# KiCad board AMLDC-2044B.kicad_pcb (continued)
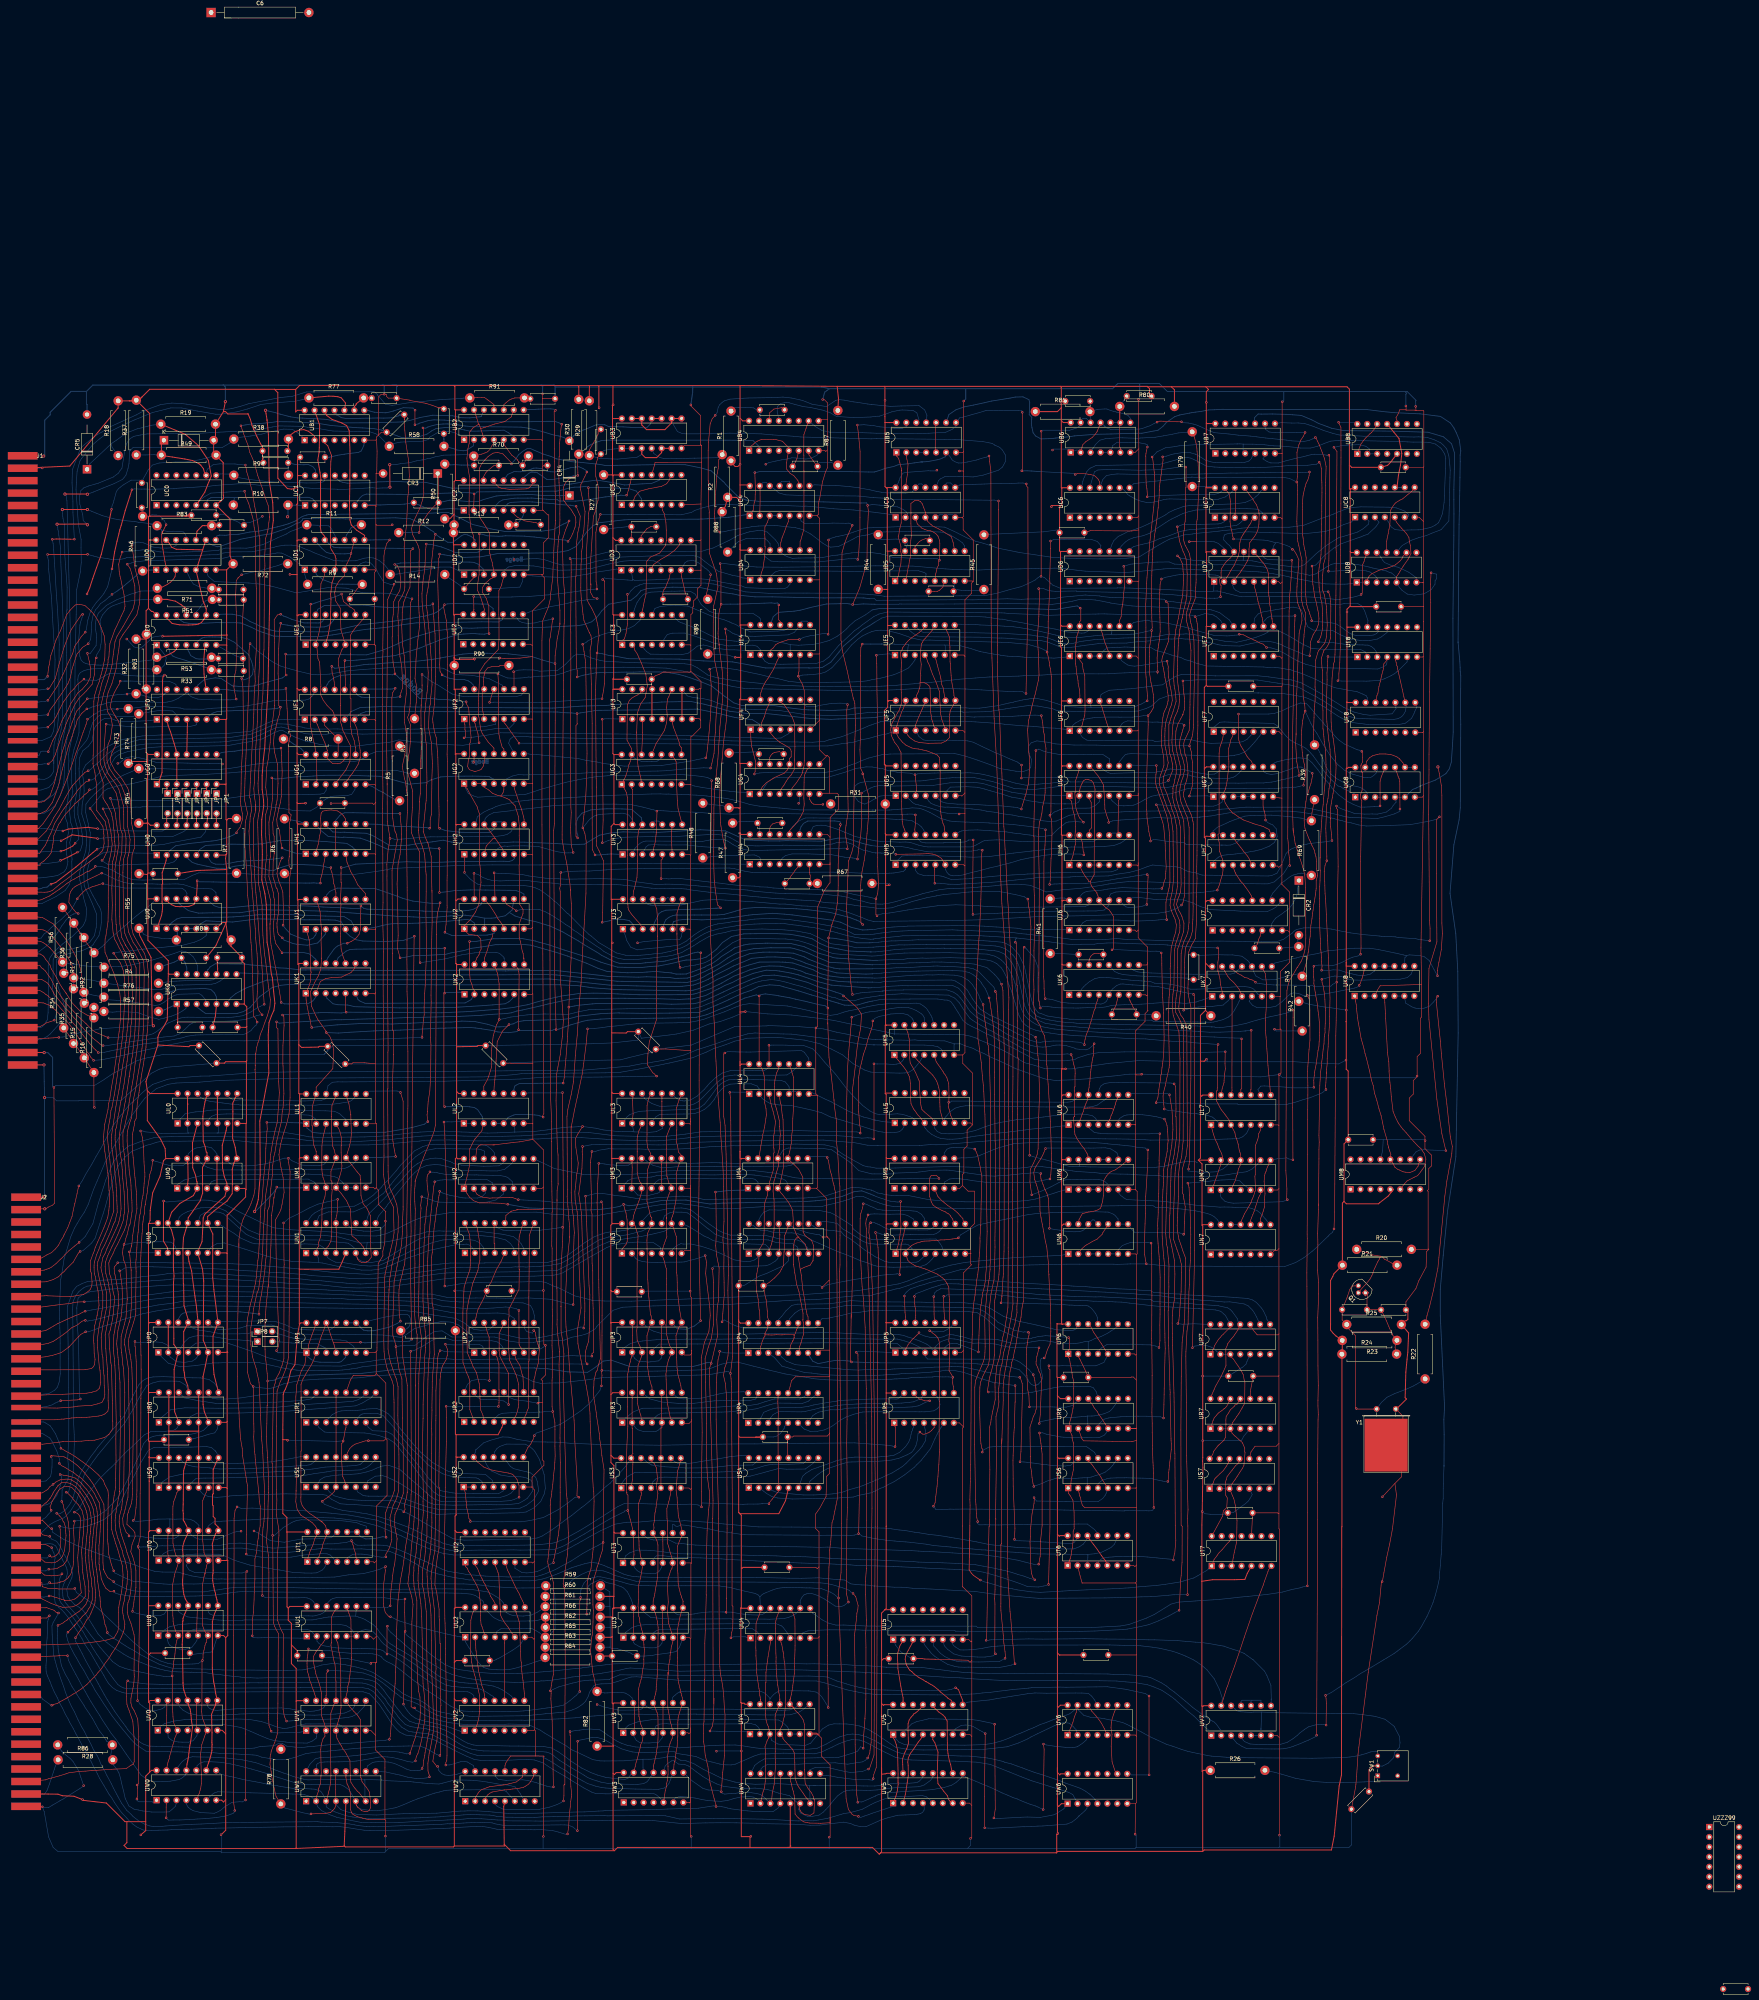
[diagram p0: board, top side]
## Routing (per net, layer and track width the routed paths; a pad name or vN(x,y) marks a point on that pad's centre or on a via; arc(x,y) is an arc through that point) (continued)
DCHA: length 54.5
  Top w0.2: UE1.3 153.85,345.87 154.36,348.68 154.51,354.66 154.42,356.02 154.79,358.92 155.46,360.9 UD1.4 155.8,363.62 155.79,365.18 155.6,365.54 155.62,365.82 154.79,367.14 154.36,367.94 154.36,371.34 154.4,372.26 154.44,371.77 154.44,378.36 154.37,378.43 154.37,386.54 154.39,386.55 154.47,389.83 154.67,391.41 153.69,393.94 152.86,394.67 UB1.3
DCHI: length 295.3
  Top w0.15: v1(102.46,363.68) 103.17,362.62 103.57,361.39 104.39,358.14 104.41,356.87 104.45,356.35 104.42,356.05 104.39,354.06 103.93,352.26 101.37,347.74 99.86,345.32 99.33,343.85 98.88,340.57 98.57,337.96 98.5,337.58 98.37,337.03 97.76,334.93 97.44,333.85 97,332.51 96.45,330.75 95.65,327.22 95.53,314.8 95.57,312.68 96.66,310.09 96.86,309.86 97.07,309.45 99.62,305.24 100.16,303.05 100.36,301.89 100.68,296.24 101.17,294.82 101.06,290.04 100.43,287.17 100.43,283.87 100.37,283.8 100.54,273.62 100.57,271.87 101.05,268.36 102.04,266.35 101.96,266.46 103.22,264.58 104.58,260.86 104.72,260.61 104.72,258.11 ; 104.72,258.19 104.75,255.44 104.74,255.07 104.59,248.65 104.45,244.69 104.17,241.71 104.01,240.22 103.73,237.82 103.62,237.32 103.27,234.92 102.96,232.88 102.98,232.97 102.79,231.71 102.52,229.91 101.97,226.5 101.76,225.5 101.45,223.61 101.16,222.51 100.95,221.52 100.49,218.08 100.37,216.13 100.43,215.41 100.7,212.89 100.96,211.58 101.18,209.06 101.3,206.83 101.65,203.38 101.79,200.25 101.79,198.19 101.6,197.5 101.53,196.38 100.77,194.28 100.04,192.45 99.48,191.24 98.53,189.32 97.48,187.1 96.91,185.47 96.82,184.36 96.98,182.57 97.62,180.15 97.74,179.41 97.82,178.82 97.99,177.98 98.16,176.87 98.11,173.92 97.94,172.53 97.34,169.45 96.82,166.84 96.95,163.4 96.98,163.38 97.11,161.12 97.18,160.66 97.38,158.16 97.36,157.46 97.44,156.78 97.61,152.81 97.58,150.17 97.68,148.36 97.5,147.37 96.75,146.66 95.9,146.3 95.1,146.12 92.86,145.86 92.12,145.82 90.79,145.7 90.13,145.71 89.53,145.72 89.02,145.67 88.23,145.64 87.7,145.54 86.3,145.37 86.26,145.34 85.68,145.34 84.58,145.22 83.99,145.18 77.18,145.18 J2.37
  Bottom w0.15: v1(102.46,363.68) 103.53,364.01 104.44,364.27 107.12,364.57 107.64,364.64 111.43,364.7 118.73,364.94 124.97,365.1 126.45,365.12 127.11,365.25 128.88,365.68 129.62,365.71 134.87,365.74 136.75,365.92 140.26,366.47 140.74,366.57 141.94,366.53 144.04,365.53 145.14,364.73 145.98,364.05 146.83,363.55 UD1.1 147.84,361 148.12,360.03 R9.1
DCHO: length 296.5
  Top w0.15: 102.16,241.94 102.44,244.6 102.54,245.59 102.66,246.67 102.78,248.31 102.8,248.74 102.8,254.14 102.78,254.71 102.74,255.76 102.75,259.62 102.49,260.89 101.17,264.18 100.77,265.08 100.4,265.67 100,266.54 99.24,267.94 98.9,269.31 98.86,269.5 98.53,273.02 98.64,276.63 98.53,280.79 98.53,281.38 98.56,281.96 98.65,287.25 98.72,287.68 99.07,288.93 99.22,289.3 99.37,290.88 99.37,291.66 99.24,292.93 ; 99.24,292.83 99.08,295.63 98.98,296.31 98.8,298.35 98.57,299.26 98.39,300.16 97.36,302.24 96.86,302.96 96.26,304.03 96.29,307.96 96.07,308.58 95.5,310.26 95.14,311.59 94.78,312.63 94.8,327.46 94.95,328.26 95.22,330.35 95.53,331.48 95.91,333.2 97.02,336.28 97.43,337.94 97.56,338.6 97.56,339.42 97.78,340 97.85,341.32 98.04,343.46 99.33,347.01 99.73,347.79 100.59,349.65 100.89,350.34 101.65,351.92 101.71,352.39 101.89,352.95 101.79,354.23 101.71,354.64 101.65,355.82 101.25,357.71 100.76,360.11 100.62,360.56 100.4,361.86 100.28,363.71 100.66,365.39 100.83,365.82 101.18,366.77 v1(101.16,366.79) 101.18,366.81 101.18,366.85 ; J2.33 81.82,151.55 85.97,151.68 89.74,151.86 92.01,151.95 93.35,152.18 93.65,152.28 94.64,152.56 95.38,153.26 95.69,154.8 95.51,157.77 95.32,158.6 94.89,163.53 94.8,165.52 95.27,169.05 95.69,171.03 96,172.93 96.21,174.13 96.22,177.29 95.06,182.43 94.78,184.52 94.96,185.6 95.55,187.08 95.94,188.5 96.63,189.68 97.15,190.83 97.8,192.3 98.44,193.71 98.7,194.49 98.99,195.18 99.35,195.89 99.9,198.21 99.86,199.16 99.87,199.67 99.79,201.18 99.79,202.2 99.78,202.37 99.72,203.73 99.63,204.55 99.59,205.39 99.02,211.12 98.62,213.89 98.55,214.44 98.42,215.77 98.39,216.42 98.47,217.2 98.48,218 99.55,225.07 99.96,227.4 100.37,229.61 100.8,232.45 101.23,235.26 101.5,236.96 101.64,237.67 102.05,241.27 102.18,242.13
  Bottom w0.15: v1(101.16,366.79) 102.17,366.89 102.68,366.94 103.84,367.03 106.39,367.35 107.29,367.39 108.03,367.32 108.71,367.23 110.85,366.83 115.15,366.68 116.33,366.76 119.09,366.86 122.14,366.95 125.73,367.24 127.55,367.8 131.36,367.81 132.94,367.78 134.63,368.05 135.5,368.33 137.12,368.69 140.91,370.44 143.08,371.38 144.13,372.04 145.88,372.67 R11.1 150.99,373.63 152.18,373.63 153.96,373.47 154.63,372.73 155.24,371.57 155.63,370.84 155.66,370.08 UD1.11
DISK0 ACT: length 95.6
  Top w0.15: 92.43,324.25 v1(92.31,324.12) 91.94,322.78 91.15,320.64 90.04,317.43 89.35,315.46 88.43,312.77 87.11,309.08 86.43,307.35 85.52,305.07 83.99,301.83 83.72,301.49 83.29,300.8 80.92,297.38 79.68,296.12 J1.61
  Bottom w0.15: UF1.13 150.14,330.59 149.82,330.06 148.86,329.24 147.89,328.97 144.3,328.92 142.54,328.9 139.66,328.78 135.62,327.98 132.54,327.46 129.69,327.16 124.08,326.89 121.85,326.64 116.94,326.69 116.07,326.95 112.11,327.27 108.15,327.39 107.3,327.37 R73.2 100.01,326.78 v1(99.91,326.68) 99.4,326.68 98.77,326.73 97.51,326.63 97.03,326.57 96.56,326.48 95.5,326.24 94.3,325.46 93.88,325.25 93.42,324.9 92.94,324.55 v1(92.31,324.12)
DISK1: length 274.3
  Top w0.15: 134.47,319.17 133.96,308.88 133.89,307.85 133.73,304.18 133.86,303.81 134.02,303.07 134.23,300.87 133.88,299.21 ; 87.68,249.31 86.32,250.67 86.15,250.96 85.8,251.41 84.51,252.97 84.18,253.34 83.89,253.74 83.53,254.42 82.93,255.46 82.42,256.27 81.97,256.78 81.82,256.89 80.66,257.58 76.02,257.76 J1.85 ; 87.6,249.39 88.87,247.8 89.24,247.46 89.85,246.77 90.23,246.29 91.07,245.33 91.69,244.62 92.08,244.23 93.64,242.68 95.02,241.56 95.51,241.13 v1(96.28,240.73) 96.39,240.85 ; v1(132.44,382.32) 132.75,380.94 133.52,379.11 134.33,376.23 134.7,374.85 134.89,373.11 135.16,371.81 135.27,361.1 135.44,357.43 135.47,342.18 135.07,336.35 135.16,333.69 134.92,330.94 134.79,325.44 134.74,324.56 134.45,318.87 ; 133.88,299.34 133.81,297.9 133.57,295.53 133.88,288.78 134.16,284.47 134.36,280.8 134.81,275.22 135.16,270.59 135.26,268.23 135.63,264.24 135.85,259.59 135.71,254.57 135.6,252.69 135.71,250.73 136.16,249.57 v1(136.92,248.61)
  Top w0.25: UC0.5 122.28,382.1 123.01,383.98 123.93,386.2 123.18,390.2 120.63,394 117.29,396.86 R19.1
  Bottom w0.15: v1(136.92,248.61) 136.32,248.58 135.44,248.36 134.61,248.05 133.78,247.76 132.7,247.43 129.75,247.06 128.93,247.01 126.2,246.9 120.78,246.89 119.68,246.76 119.14,246.51 118.46,246.13 117.22,244.93 115.9,243.75 115.08,243.45 114.43,243.19 111.83,242.93 109.71,242.63 105.98,242.12 103.64,241.76 101.08,241.37 99.12,241.04 96.74,240.66 v1(96.28,240.73) ; 98.53,394.59 92.89,389.33 CR5.1 ; 98.53,394.59 99.13,394.97 99.74,395.38 101.98,397.04 102.72,397.38 105,398.26 106.21,398.52 108.59,399.17 R19.1 ; 98.53,394.59 98.48,393.97 98.56,393.6 R18.1 ; UC0.5 121.23,380.16 121.94,380.74 122.3,380.99 123.82,381.84 126,381.96 126.55,382.01 127.91,382.1 131.43,382.36 v1(132.44,382.32)
DISK2: length 55.2
  Top w0.15: R16.2 92.22,248.52 90.43,249.56 89.07,250.92 88.27,251.79 87.54,253.02 86.7,254.3 ; 83.84,259.05 83.06,260.3 82.71,261.33 81.91,262.41 81.58,262.81 81.11,263.56 80.23,264.13 J1.81 ; 83.89,258.95 84.37,258.12 85.14,256.62 85.92,255.37 86.95,253.95
  Bottom w0.15: UK0.2 117.43,250.17 116.44,249.52 115.34,248.87 113.74,248.25 111.87,247.74 110.54,247.45 108.55,247.95 107.21,248.43 105.25,249.11 103.73,249.26 102.07,249.37 99.78,249.37 98.72,249.27 R57.1 95.26,249.58 R92.1 93.93,250.47 R16.2
DISK NEW REQ: length 120.6
  Top w0.15: J1.59 75.78,299.27 80.35,300.06 81.82,300.77 83.35,302.88 84.24,305.26 85.11,307.94 85.86,311.25 86.16,312.43 87.42,317.23 88.34,319.62 88.97,321.63 89.3,322.41 89.69,323.98 90.86,325.62 v1(92.13,326.74) 92.13,326.8 ; 130.75,360.15 130.32,359.5 130.15,355.58 130.32,351.53 130.4,349.18 130.5,342.16 130.35,340.22 130.23,336.61 129.96,335.52 129.7,332.4 129.78,331.75 130.1,330.09 v1(130.3,329.24) ; 130.75,360.15 131.6,361 v1(131.71,361) ; 130.75,360.15 130.88,360.34
  Bottom w0.15: v1(92.13,326.74) 92.92,326.94 93.39,327.19 95.14,327.7 96.46,327.95 97.22,328.24 98.62,328.53 99.48,328.68 104.95,328.62 105.61,328.59 106.37,328.56 106.84,328.55 111.76,328.36 112.65,328.48 114.13,328.79 115.49,329.43 116.07,329.84 116.56,330.15 117.4,330.6 UF0.11 118.08,330.47 118.76,329.86 119.28,329.65 120.5,329.23 124.04,329.05 128.32,329.05 128.93,329.05 v1(130.3,329.24) ; v1(131.71,361) 132.82,361.31 134.07,361.58 136.15,361.95 139.81,363.03 140.96,363.33 141.5,363.53 142.03,363.76 R72.1
DISK PRES REQ: length 56.1
  Top w0.15: J1.57 79.94,302.91 80.52,302.93 81.28,303.17 82.74,304.59 83.21,305.95 83.87,307.81 84.35,309.85 85.9,315.91 86.35,317.27 86.8,318.82 87.14,319.92 87.56,320.77 88.03,322.16 88.35,323.17 89.54,326.18 90.15,326.88 90.43,327.21 91.14,328.06 91.4,328.31 92.26,329.29 v1(92.26,329.32) 92.29,329.32 92.3,329.33
  Bottom w0.15: v1(92.26,329.32) 94.93,329.65 97.85,330.03 98.65,330.18 99.92,330.35 101.04,330.41 102.07,330.52 v1(102.42,330.52) 102.49,330.59 R32.1 106.22,330.27 107.82,329.75 110.22,329.56 111.44,330.06 111.72,330.3 112.58,331.16 UF0.13
DISK WR DATA: length 257.4
  Top w0.15: 92.56,311.07 92.56,311.01 v1(92.5,310.94) 92.56,310.88 92.56,310.76 92.16,310.73 91.64,310.54 91.25,310.07 90.92,309.82 88.42,307.09 88.09,306.57 87.52,305.63 86.57,303.96 85.1,301.13 83.69,298.98 82.83,297.25 81.68,295.46 79.18,292.95 J1.63 ; 95.8,290.21 95.04,289.32 94.82,289.15 94.28,288.79 91.67,286.81 90.86,286.25 89.75,285.42 87.67,283.77 85.9,282.46 85.42,282.1 83.39,280.42 82.62,280.07 82.11,279.96 81.39,279.9 76,280 J1.71 ; 95.7,290.11 96.05,290.46 96.25,290.89 96.55,292.37 96.5,293.49 96.47,293.93 96.53,294.26 96.44,294.96 96.41,295.4 96.23,296.75 95.82,297.26 95.46,297.86 95.12,298.31 94.69,298.78 94.57,299 93.58,300.48 93.23,300.95 v1(92.95,301.33) 92.88,301.26
  Bottom w0.15: v1(92.5,310.94) 93.15,311.31 93.94,312.17 94.74,312.75 96.09,314 97.3,315.18 98.34,315.94 98.34,315.98 99.39,316.79 101.24,317.71 102.94,318.13 104.01,318.48 105.87,318.94 108.1,318.93 117.29,319.21 119.47,319.2 128.42,319.38 130.44,319.71 132.66,320.06 133.33,320.09 134.08,320.28 137.19,321.51 138.41,322.07 139.3,322.43 140.13,322.75 140.83,322.93 143.16,322.85 144.29,322.61 145.07,322.47 145.76,322.29 147.29,322.06 147.79,321.87 150.35,321.57 151.66,321.57 156.13,321.61 161.75,321.39 169.74,321.54 171.08,321.55 173.16,321.62 174.26,321.56 175.85,321.56 181.59,321.66 183.78,321.79 186.19,321.97 187.01,321.98 193.8,322.18 195.07,322.5 196.58,322.79 UF2.4 ; R3.1 174.34,310.29 171.32,310.99 139.38,310.91 134.14,310.88 132.33,310.68 131.02,310.61 128.68,310.39 122.46,310.02 113.99,309.71 111.35,309.55 109.52,309.08 103.63,307.62 100.61,307.2 97.45,306.32 96.49,305.73 95.81,304.77 94.67,303.4 94.47,302.98 93,301.33 v1(92.95,301.33)
DSK SEL: length 141.3
  Top w0.15: UF2.2 191.12,323.3 191.32,323.09 191.32,322.97 191.61,321.86 192.08,320.34 192.16,319.44 192.35,318.1 v1(192.37,318.08) 192.35,318.05 192.35,317.92 ; J1.67 75.89,286.73 80.18,286.73 80.18,287.23 81.19,287.9 ; 92.76,306.2 v1(92.79,306.08) 92.47,305.56 91.89,305.02 91.7,304.95 91.51,304.8 91.12,304.32 89.64,302.96 89.07,302.49 88.23,301.49 86.64,299.81 85.78,298.53 85.37,297.81 84.95,297.28 83.66,294.3 83.65,293.56 83.53,292.71 83.46,292.12 ; 81.15,287.85 82.36,289.07 82.87,289.77 83.05,290.1 83.3,291.29 83.47,292.21
  Bottom w0.15: v1(192.37,318.08) 188.25,317.44 181.93,317.69 177.71,318.23 175.14,318.33 173.64,318.61 171.84,318.81 169.22,318.14 166.43,317.93 160.08,317.13 154.42,317.27 151.49,317.7 148.05,318.5 145.36,319.51 144.85,319.78 143.48,320.48 142.11,321.25 141.35,321.19 139.82,320.56 137.03,319.09 135.07,318.6 133.27,318.25 131.32,317.96 129.2,317.54 128.15,317.36 121.97,317.22 116.26,317.15 111.05,317.04 108.63,316.9 107.83,316.8 102.56,315.83 101.8,315.55 100.42,315.1 99.42,314.37 98.35,312.72 97.28,310.65 96.55,309.21 95.41,307.87 94.69,307.17 94.37,306.78 93.33,306.08 v1(92.79,306.08)
DSK ~{RST}: length 65.1
  Top w0.15: 91,257.3 90.69,259.35 90.38,260.72 89.94,262.26 88.7,264.65 88.3,265.39 87.6,266.46 86.84,267.79 86.66,268.04 85.78,269.21 84.62,270.56 83.61,271.78 80.79,273.44 80.28,273.51 J1.75 ; 90.97,257.5 91.05,256.68 91.11,256.25 R17.1
  Bottom w0.15: R15.2 91.06,253 R17.1 93.26,253.73 94.42,253.51 R76.1 97.13,252.47 99.73,252.31 100.4,252.25 102.32,252.04 104.59,251.75 106.01,251.48 108.28,251.22 109.54,251 110.67,251.15 111.98,251.88 112.73,252.49 113.75,253.13 114.47,253.54 115.07,253.71 115.69,253.86 120.84,253.99 121.52,253.59 122.33,252.59 122.51,252.25 UK0.4
E0p2: length 15.8
  Bottom w0.2: C61.1 124.31,336.43 R33.1 121.72,337.62 119.63,338.34 117.35,339.13 114.98,339.83 114.11,340.23 113.41,340.99 113.12,342.04 112.48,343.05
E0p6: length 11.6
  Top w0.25: UF0.9 122.47,332.61 122.08,335.64 122,337.4 121.99,338.83 122.29,342.7 122.64,343.05
E0p8: length 181.5
  Top w0.15: v1(183.52,353.34) 183.3,352.72 183.67,350.83 183.99,349.37 184.17,346.67 184.25,346.33 184.29,345.28 184.28,338.16 184.29,336.51 184.34,333.76 184.28,332.77 184.25,332.74 184.25,322.89 184.2,322.54 184.22,320.98 184.28,318.85 184.19,315.16 184.26,313.34 184.26,303.27 184.22,303.23 184.32,303.12 184.22,290.1 184.22,287.95 184.2,284.17 184.17,282.89 184.17,276.58 184.2,276.1 184.07,273.96 183.95,272.65 183.92,271.66 v1(183.62,269.67) ; UK2.12 193.71,263.05 194.45,265.07 195.02,267.04 195.83,268.63 195.87,269.27
  Bottom w0.2: 193.53,353.51 190.3,353.6 188.21,353.61 185.85,353.62 184.31,353.57 v1(183.52,353.34) 183.09,352.66 182.87,352.48 182.34,352.06 182.19,351.91 181.42,351.4 180.85,351.11 178.71,350.48 175.28,349.9 173.92,349.67 173.9,349.69 172.14,349.4 170.62,349.17 167,348.77 161.2,348.07 158.84,347.55 157.19,347.12 153.68,346.45 152.44,346.41 142.74,346.48 142.01,346.5 140.39,346.6 138.84,346.95 137.71,347.36 136.55,347.79 135.14,348.48 133.86,349.04 132.49,349.91 131.35,350.51 129.26,350.92 128.05,350.92 127.47,350.93 126.25,350.89 UE0.8 ; UE2.11 195.94,352.39 194.45,353.5 193,353.51 ; v1(183.62,269.67) 184.13,269.38 185.38,268.89 190.41,268.9 194.41,268.96 195.66,269.23 196.2,269.45 UJ2.4
E0p10: length 8
  Bottom w0.15: UE0.10 120.1,351.53 120.89,352.37 121.54,353.38 122.54,354.36 R51.1 124.33,354.6 C59.1
E1p8: length 37.5
  Top w0.15: UG1.9 160.79,316.81 160.74,316.85 160.45,318.61 159.84,320.22 159.55,322.22 159.46,322.31 159.46,324.53 159.53,324.6 159.53,326.03 159.62,326.12 159.62,329.31 159.42,329.51 159.42,332.87 159.53,333.47 159.53,340.7 159.46,340.77 159.49,340.79 159.49,343.26 159.46,344.64 159.53,345.59 160.06,346.51 160.76,347.44 162.92,349.9 162.92,350.41 UE1.8
E1p12: length 138.9
  Top w0.15: UK1.2 151.82,257.12 153.14,257.84 154.58,258.09 157.23,258.24 158.27,258.77 159.64,259.38 160.5,260.42 UK1.9 ; v1(141.67,350.9) 140.83,350.72 140.01,349.51 140.05,344.83 140.14,343.72 140.14,327.59 140.09,327.54 139.61,323.62 139.09,321.07 138.99,318.18 138.78,316.31 138.48,313.87 138.1,311.82 137.84,306.72 138.27,303.61 138.27,301.29 137.84,299.8 137.74,294.94 137.87,293.99 138.14,289.29 137.78,286.6 137.66,283.64 138.04,282.13 138.4,280.54 139.03,278.01 139.15,274.86 138.94,271.68 ; v1(141.8,251.75) 141.04,256.44 140.57,259.48 139.71,263.86 139.21,266.39 139.03,268.04 138.93,270.75 138.95,271.94
  Bottom w0.2: v1(141.67,350.9) 142.15,350.59 142.45,350.42 142.99,350.25 144.54,349.59 147.63,348.7 148.57,348.68 150.67,348.68 151.47,348.67 152.36,349.03 UE1.12 ; v1(141.8,251.75) 142.63,251.4 143.63,251.38 144.45,251.41 145.55,251.43 148.78,251.51 149.85,252.12 150.34,252.71 150.61,253.17 UK1.2
E1p13: length 107.6
  Top w0.15: v1(180.55,353.58) 180.75,350.41 180.81,349.53 181,346.88 181.1,345.93 181.24,334.97 181.16,333.36 181.05,329.7 180.93,327.88 180.49,324.15 180.57,323.19 180.98,320.71 181.4,319.44 181.73,315.82 181.82,314.31 182.1,301.83 182.14,299.67 182.02,296.46 v1(182.27,296.21)
  Bottom w0.2: v1(182.27,296.21) 183.77,295.65 187.76,295.21 193.2,295.13 195.09,295.22 195.83,295.76 196.04,296.02 196.29,296.24 UH2.11 196.85,297.87 198.09,297.87 UH2.10 ; v1(180.55,353.58) 179.92,353.21 178.81,353.1 177.31,352.93 169.67,352.63 165.69,352.86 164.21,353.09 162.88,353.24 155.48,353.19 152.84,353.13 152.05,352.68 151.16,352.18 UE1.13
E2p8: length 66.8
  Top w0.15: v1(222.54,354.91) 221.5,355.26 220.85,356.47 220.94,358.65 220.88,358.49 220.88,364.77 221.04,367.22 221.56,375.86 222.06,377.23 222.5,379.25 222.74,379.96 222.96,382.45 222.81,383.38 222.53,384.72 222.17,386.19 222.06,388.76 222.59,390.45 222.59,390.91 C14.1
  Bottom w0.15: UE2.8 204.95,351.36 206.14,351.88 206.72,351.88 209.44,352.56 210.53,352.84 213.23,353.34 215.68,353.88 218.38,354.4 219.27,354.49 220.25,354.63 220.43,354.69 220.79,354.73 221.24,354.73 221.71,354.76 v1(222.54,354.91) ; C14.1 223.48,392.16 224.17,392.64 224.4,392.78 226.25,393.06 226.94,393.13 UB3.1 UB3.2
E2p9: length 489.8
  Top w0.15: 211.41,51.13 211.41,51.36 v1(211.35,51.42) 211.03,68.27 210.7,73.91 210.76,75.23 210.76,75.76 v1(210.57,75.96) 210.61,75.91 210.83,77.34 210.97,78.21 211.35,80.2 211.38,82.21 211.4,82.91 211.4,101.61 211.35,103.5 210.97,105.14 210.47,106.33 209.95,108.51 209.9,108.97 209.99,109.74 210.33,113.16 210.46,114.73 210.62,119.97 210.53,123.28 210.57,123.58 210.59,124.6 210.91,126.03 210.95,126.87 211.18,128.59 211.39,130.97 211.6,132.86 211.71,134.26 211.8,135.92 211.74,138.44 211.75,142.71 211.72,144.53 v1(211.17,147.29) 211.01,148.56 211.01,155.28 211.06,156 211.06,162.61 210.99,164.08 211.08,171.68 211.05,173.42 211.07,179.58 210.99,183.84 211.02,188.97 210.93,189.57 211.01,198.14 211.06,198.39 210.96,203.56 210.93,206.12 210.93,216.19 210.88,216.24 210.88,221.42 210.57,229.09 210.49,257.55 210.48,258.67 210.32,344.09 210.54,345.08 211.07,348.97 v1(211.21,349.76)
  Top w0.2: 314.11,76.76 v1(314.11,76.74) 314.87,76.22 315.57,74.37 315.94,73.5 UV5.9
  Bottom w0.15: 225.65,78.85 222.57,78.7 220.78,78.69 219.22,78.54 218.25,78.43 216.96,78.06 216.29,77.94 214.92,77.57 212.72,76.96 211.37,76.36 v1(210.57,75.96) ; 225.65,78.85 225.67,78.87 ; 225.65,78.85 226.32,79.21 226.85,79.44 228.33,80.03 266.89,79.75 272.52,79.71 276.66,79.72 279.02,79.64 281.33,79.48 283.73,78.48 286.25,77.71 287.35,77.38 289.61,76.8 290.75,76.61 291.99,76.37 292.55,76.31 293.41,76.2 296.09,76.15 296.81,76.13 301.21,76.05 302.83,76.07 310.39,75.97 311.34,76 313.04,76.32 v1(314.11,76.74) ; v1(211.21,349.76) 210.63,349.53 210.08,349.46 209.19,349.24 207.78,348.99 206.65,348.69 205.48,348.6 204.68,348.55 203.39,348.8 202.7,349.09 202.33,349.46 202.17,349.72 UE2.9 ; UR2.4 196.17,145.3 197.25,146.4 198.27,146.83 200.71,146.98 206.36,147.07 208.63,147.16 209.17,147.29 v1(211.17,147.29) ; v1(211.35,51.42) 211.24,51.32 210.27,51.45 209.62,51.62 208.63,51.92 208.01,52.12 207.04,52.48 204.85,53.04 203.52,53.22 199.28,53.08 199.26,53.11 199.23,53.08 197.26,53.33 196.43,54.21 UW2.13 ; UV6.11 349.59,73.66 348.89,74.59 348.04,75.29 346.35,75.39 344.77,75.39 337.42,75.34 334.4,75.4 332.54,75.21 328.49,74.57 324.63,73.96 322.68,73.61 319.02,73.25 317.08,73.02 UV5.9
E2p13: length 132.1
  Top w0.15: UE2.13 190.86,351.83 191.06,352.02 191.02,352.07 v1(190.98,355.43) 191.02,355.48 ; v1(222.46,357.34) 222.46,358.39 222.26,359.24 222.19,371.75 222.34,372.47 222.69,374.56 222.97,375.25 v1(223.34,376.41)
  Bottom w0.15: v1(223.34,376.41) 230.25,376.41 230.31,376.41 230.52,376.38 244.06,376.31 246.66,376.93 247.46,377.42 249.51,378.1 252.09,378.77 254.92,378.96 260.43,378.75 271.03,378.64 275.06,378.48 275.85,378.53 276.94,378.43 277.54,378.39 282.97,377.84 288.01,377.54 293.64,376.91 295.87,376.61 ; 295.87,376.61 296.12,376.58 ; 295.87,376.61 297.85,376.35 UC5.1 ; v1(190.98,355.43) 191.11,355.3 200.58,355.3 200.86,355.33 205.25,355.46 208.47,355.73 209.44,355.83 210.04,355.85 214.51,356.34 218.39,356.89 219.93,357.1 220.54,357.22 v1(222.46,357.34)
E3p1: length 288.1
  Top w0.15: 230.38,355.96 v1(230.27,355.99) 230.3,348.45 229.99,346.82 229.92,346.1 229.48,344.59 228.91,344.21 UE3.1 ; UD8.13 418.91,365.57 418.62,364.98 418.49,364.4 418.11,363.54 418.02,356.3 417.72,356 v1(417.72,355.95) 417.67,355.95 417.6,355.88 ; v1(335.94,360.59) 335.98,360.63 v1(335.98,397.66)
  Bottom w0.15: 380.05,356.84 379.82,356.75 375.63,356.75 374.5,356.91 365,357.34 360.31,357.52 358.61,357.59 355.44,357.65 355.4,357.61 340.87,357.54 338.98,358.33 336.85,360.24 v1(335.94,360.59) 335.72,360.59 335.24,360.31 334.43,359.64 333.12,358.96 330.85,357.95 328.2,357.28 324.77,356.29 321.38,355.63 319.43,355.67 316.68,355.62 315.58,355.6 295.87,355.5 ; 380.05,356.84 380.92,356.84 381.03,356.83 381.85,356.64 382.94,356.38 383.3,356.26 384.49,356.01 385.93,355.62 387.18,355.37 401.71,355.45 406.36,355.23 411.4,354.66 412.2,354.69 413.21,354.86 415.26,355.18 416.21,355.39 417.25,355.69 v1(417.72,355.95) ; 380.05,356.84 UD7.1 ; R81.2 350.38,403.23 352.2,403.33 352.77,403.32 353.85,402.89 354.39,402.76 354.93,402.64 355.35,402.5 355.74,402.41 356.33,402.3 356.67,402.2 357.58,401.94 358.25,401.59 358.77,400.95 UB6.8 ; R81.2 348.61,402.49 UB6.12 347.51,400.95 346.67,400.95 346.07,400.35 UB6.13 346.07,399.33 345.4,398.66 344.96,398.45 343.27,397.91 336.22,397.9 v1(335.98,397.66) ; R81.2 348.45,405.27 348.51,405.33 ; 233.39,358.39 232.63,358.02 232.17,357.87 231.17,356.9 230.55,355.99 v1(230.27,355.99) ; 295.87,355.5 294.28,355.75 292.44,355.95 291.81,355.99 291.7,356.01 284.67,356.28 276.14,356.3 275.15,356.3 270.75,356.31 268.69,356.25 266.26,356.26 260.42,356.62 257.88,357.26 255.59,357.72 253.71,358.29 253.19,358.4 252.28,358.63 250.88,358.75 250.31,358.86 244.05,358.86 241.86,358.86 235.93,358.72 234.42,358.7 233.24,358.34 ; 295.87,355.5 296.08,355.47
E3p2: length 37.5
  Top w0.15: UG3.3 233.64,309.43 233.43,310.1 233,311.94 232.79,313.86 232.76,314.24 232.64,319.98 232.64,320.84 ; UE3.2 231.93,342.63 232.16,341.71 232.81,340.72 233.19,339.86 233.85,338.37 234.96,335.58 235.35,332.62 234.78,329.6 233.63,328 232.8,325.68 232.62,320.53
E3p3: length 30.5
  Bottom w0.15: UE3.3 234.53,342.05 235.2,341.34 236.11,340.72 244.18,340.6 245.75,340.95 247.34,342.11 248.09,342.76 249.67,343.06 251.14,342.74 252.49,342.25 256.32,341.81 257.52,341.82 260.1,341.67 260.91,341.66 261.54,341.49 UE4.1
E3p5: length 309.2
  Top w0.15: v1(375.31,350.3) 375.66,349.8 375.75,349.09 375.84,348.59 376.01,347.35 376,347.11 376.01,346.66 376.11,344.27 376.11,343.78 376.02,323.41 376.03,322.56 375.97,320.36 375.99,319.09 375.87,314.05 375.92,313.79 375.8,290.54 375.79,289.31 375.74,286.47 375.73,285.13 375.8,283.45 375.68,278.71 375.68,272.56 375.38,268.11 374.9,267.2 374.42,266.43 373.96,265.28 373.69,264.64 373.53,256.42 373.48,255.48 373.57,253.81 373.87,252.22 374.24,250.58 374.22,232.35 373.87,211.2 373.76,210.32 373.59,209.5 v1(373.64,209.2)
  Bottom w0.15: UE7.13 381.87,349.27 380.68,350.31 380.32,350.48 379.86,350.76 379.47,350.86 377.82,351.06 v1(375.31,350.3) 374.64,350.65 372.07,350.8 362.95,350.8 361.03,350.76 352.8,350.97 352.14,350.99 350.64,350.98 349.91,350.94 344.71,350.9 341.51,350.75 337.74,350.63 336.68,350.7 335.84,350.79 327.53,351.11 326.65,351.22 325.85,351.26 296.69,351.47 294.53,350.97 293.18,350.29 290.27,348.2 289.33,347.42 288.26,346.7 284.26,342.94 283.18,341.67 281.76,339.99 280.29,338.9 278.38,338.3 270.15,338.15 269.43,338.14 268.15,338.19 266.43,338.29 265.42,338.87 264.94,339.53 UE4.2 264.22,341.86 263.38,342.74 262.35,343.01 260.98,342.98 256.08,342.82 255.07,342.99 252.36,343.53 249.75,344.49 247.2,345.41 245,346.09 241.73,346.08 240.44,345.72 239.61,344.53 UE3.5 ; UM7.12 383.49,210.12 382.48,209.26 380.73,208.51 377.22,208.35 373.51,208.71 v1(373.64,209.2)
E3p9: length 136
  Top w0.15: UF6.13 345.87,330.18 345.78,331.57 345.43,333.22 345.38,334.02 345.24,334.88 345.08,335.63 344.89,337.59 344.75,338.36 344.75,342.22 344.83,343.2 344.88,343.4 344.92,344.05 345.09,345.23 345.4,346.23 UE6.13 345.82,349.01 346.11,349.3 346.11,352.37 346,352.48 v1(345.96,352.48) 345.96,352.52 345.92,352.55
  Bottom w0.15: UE4.5 271.84,341.76 271.86,341.77 271.86,343.13 ; UE3.9 243.25,349.14 243.87,348.77 244.32,348.66 248.18,347.13 250.94,345.76 253.45,344.56 257.54,344.06 258.1,344.01 266.56,344.25 270.83,343.44 271.86,343.13 ; 271.86,343.13 273.96,342.99 274.8,343.04 277.48,343.17 279.35,343.5 281.87,344.22 283.96,345.33 285.42,346.45 286.28,347.19 287.08,348.04 288.45,349.25 291.05,350.74 291.93,351.35 292.78,352
  Bottom w0.2: v1(345.96,352.48) 345.2,353.04 339.44,352.11 330.1,352.39 300.53,352.39 294.83,352.4 292.78,352
E3p11: length 38.6
  Bottom w0.15: UE4.10 271.38,347.43 270.73,346.94 270.21,346.78 268.71,346.61 266.05,346.53 261.72,346.39 259.3,347.42 257.96,348.28 256.92,348.67 256.39,348.91 ; UE3.11 237.3,352.41 238.66,352.89 241.38,353.17 242.61,353.16 245.71,352.99 252.32,350.19 254.95,349.5 256.5,348.89
E3p13: length 40.5
  Bottom w0.15: UE3.13 231.95,351.78 232.15,352.42 232.33,352.94 232.71,353.85 233.43,354.94 234.32,355.93 234.77,356.16 236.19,356.55 241.59,356.8 242.29,356.78 243.6,356.82 244.46,356.85 246.43,356.71 247.56,356.06 249.12,353.38 249.68,352.88 251.21,351.64 252.6,351.18 254.28,351.06 256.51,351.05 260.22,351.16 261.31,351.09 262.37,351.1 263.97,350.05 264.21,349.72 264.22,349.39 UE4.13
E4p3: length 195.7
  Top w0.15: v1(281.65,369.86) 281.65,345.91 v1(281.54,345.79) ; UE4.3 266.76,341.71 267.47,342.25 268.15,343.13 268.66,343.44 269.34,343.76 271.27,344.38 273.84,344.46 v1(274.2,344.45) 274.22,344.47
  Bottom w0.15: UC8.6 429.81,375.88 429.85,376.34 429.51,376.75 428.9,377.24 426.71,378.07 424.88,378.25 417.7,378.33 415.85,378.2 414,377.84 411.71,376.98 410.67,376.48 409.58,376.08 407.38,375.3 403.12,373.65 400.38,373.24 399.33,373.13 391.49,373.13 390.59,373.15 387.27,372.91 384.8,372.48 382.35,372.26 381.41,372.14 379.39,371.92 375.16,371.52 374.6,371.39 372.67,371.2 368.75,370.08 367.29,369.31 365.07,368.03 360.94,365.5 356.34,365.08 350.94,365.03 345.08,365.11 342.12,365.26 340.39,365.35 338.75,365.45 330.44,366.67 324.98,367.77 321.19,369.04 319.19,369.56 317.03,370.4 313.91,371.99 311.31,373.15 310.05,373.22 305.45,373.37 303.58,373.32 303.09,373.29 302.22,373.37 293.08,373.01 291.61,372.96 290.1,372.56 287.96,371.87 286.69,371.4 285.29,371.04 284.24,370.84 283.5,370.67 281.65,370.11 v1(281.65,369.86) ; v1(281.54,345.79) 280.73,346.05 278.97,345.74 277.79,345.49 277,345.43 275.26,345.01 v1(274.2,344.45)
E4p4: length 12.7
  Top w0.15: UF4.13 264.27,330.49 264.35,330.84 264.8,332.19 265.49,333.56 266.2,334.57 267.65,336.98 268.48,338.93 UE4.4
E4p6: length 265
  Top w0.15: v1(363.07,284.43) 363.32,284.16 363.29,283.75 v1(362.98,276.78) ; UE4.6 274.1,340.27 274.1,336.32 273.99,335.95 273.95,335.86 273.95,335.11 v1(273.93,335.09) 273.95,335.07 274.23,334.36 275,332.97 275.43,331.51 275.51,329.8 275.58,327.03 275.43,326.78 275.45,323.73 275.58,321.44 275.51,316.96 275.45,316.44 275.45,313.57 275.4,312.25 275.32,311.81 275.09,311.01 275.04,310.58 274.79,309.95 273.51,307.94 272.37,306.55 UG4.5 ; v1(338.37,369.61) 338.37,367.64 338.39,367.62 338.16,360.05 338.21,358.79 337.77,348.97 337.79,346.53 v1(337.49,341.23) 337.84,339.77 338.06,338.64 338.12,337.91 338.33,336.99 338.46,336.13 338.57,334.93 338.6,331.62 338.57,330.6 338.57,316.45 338.54,316.41 338.57,316.38 338.48,301.94 338.48,300.39 v1(338.22,299.57) 338.64,298.44 338.75,295.03 338.62,289.68 338.5,288.54 338.41,285.2 338.42,283.95 338.3,282.97 v1(338.15,281.89)
  Bottom w0.15: UD6.11 351.24,368.44 350.33,369.48 348.96,369.96 341.85,370.05 340.77,370.06 339.17,370 338.45,369.61 v1(338.37,369.61) ; 358.36,275.98 361.07,276.18 361.96,276.37 v1(362.98,276.78) ; v1(337.49,341.23) 337.49,341.56 336.77,341.77 336.07,342.16 334.89,342.56 332.43,343.25 330.69,343.4 327.66,343.68 325.89,343.75 312.1,344.14 307.56,344.31 305.59,344.27 302.98,344.82 299.71,345.97 296.54,346.75 294.95,346.83 294.19,346.79 293.81,346.76 292.69,346.47 291.66,346.04 290.22,345.32 289.09,344.48 287.5,343.04 286.79,342.15 286.44,341.75 286.12,341.36 285.23,340.33 284.52,339.45 282.49,337.23 280.96,336.19 279.57,335.74 277.76,335.52 276.34,335.43 274.96,335.37 274.38,335.17 v1(273.93,335.09) ; 358.46,275.97 357.64,276.17 357.09,276.65 UJ6.9 ; v1(338.22,299.57) 338.7,299.84 339.31,300.39 340.07,300.66 340.61,300.94 342.63,301.38 343.37,301.38 347.43,301.38 348.5,301.42 349.93,302.14 350.83,303 UG6.4 ; v1(363.07,284.43) 362.61,284.43 361.56,284.28 360.05,284.08 358.87,283.84 355.32,283.33 353.63,283.03 349.53,282.42 347.37,282.15 342.17,282.12 341.21,282.03 340.7,282.06 339.99,282.01 339.45,282.02 v1(338.15,281.89)
